# KiCad board arena_10_of_10_v1r1.kicad_pcb (continued)
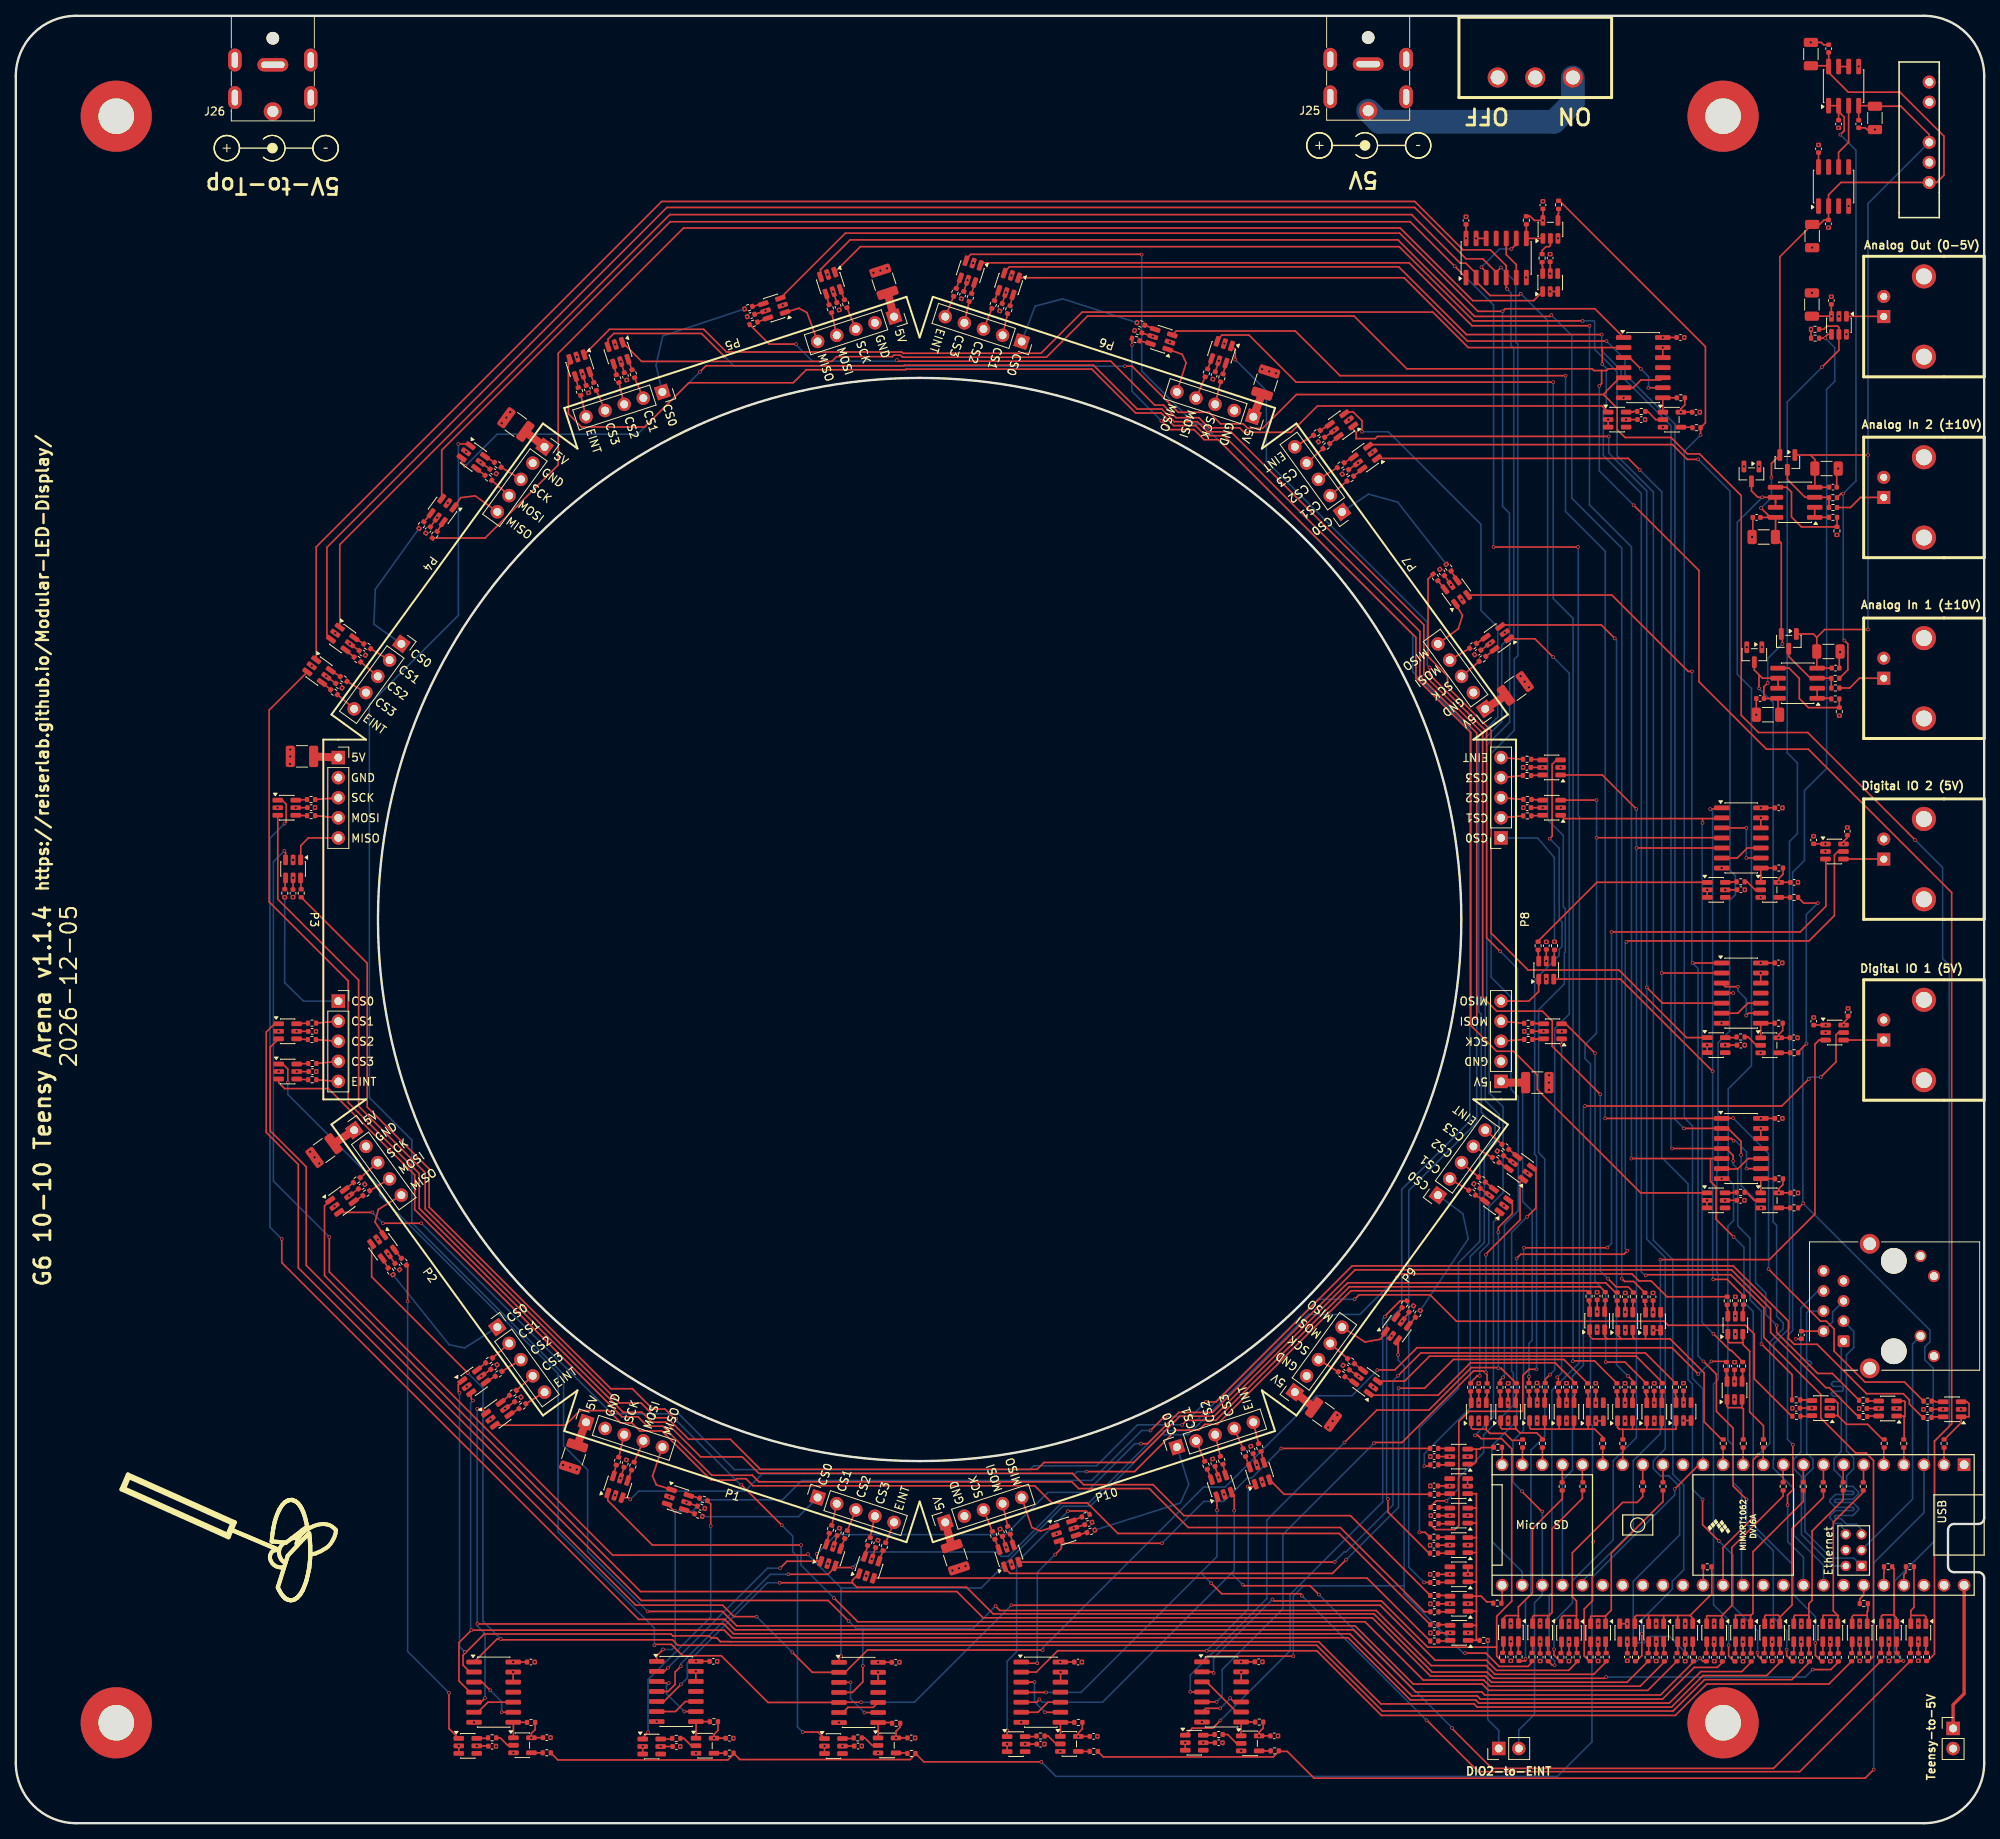
[diagram p0: board, top side]
## Placement (name value [footprint] x y rotation side) (continued)
R127  33  [R_0402_1005Metric]  43.19 147.19 324 top
R128  33  [R_0402_1005Metric]  41.46 144.71 324 top
R129  33  [R_0402_1005Metric]  40.24 143.05 324 top
R130  33  [R_0402_1005Metric]  93.29 189.71 198 top
R131  33  [R_0402_1005Metric]  104.94 192.18 288 top
R132  33  [R_0402_1005Metric]  103.01 191.55 288 top
R133  33  [R_0402_1005Metric]  92.65 191.68 198 top
R134  33  [R_0402_1005Metric]  78.09 183.33 288 top
R135  33  [R_0402_1005Metric]  76.1 182.7 288 top
R136  33  [R_0402_1005Metric]  73.25 181.72 288 top
R137  33  [R_0402_1005Metric]  71.28 181.09 288 top
R138  33  [R_0402_1005Metric]  141.62 187.65 162 top
R139  33  [R_0402_1005Metric]  152.51 182.81 252 top
R140  33  [R_0402_1005Metric]  150.57 183.43 252 top
R141  33  [R_0402_1005Metric]  142.27 189.63 162 top
R142  33  [R_0402_1005Metric]  125.58 191.43 252 top
R143  33  [R_0402_1005Metric]  123.6 192.09 252 top
R144  33  [R_0402_1005Metric]  120.72 192.98 252 top
R145  33  [R_0402_1005Metric]  118.76 193.62 252 top
R146  33  [R_0402_1005Metric]  179.52 157.58 126 top
R147  33  [R_0402_1005Metric]  185.48 147.26 216 top
R148  33  [R_0402_1005Metric]  184.28 148.91 216 top
R149  33  [R_0402_1005Metric]  181.21 158.81 126 top
R150  33  [R_0402_1005Metric]  168.76 170.07 216 top
R151  33  [R_0402_1005Metric]  167.55 171.76 216 top
R152  33  [R_0402_1005Metric]  165.73 174.18 216 top
R153  33  [R_0402_1005Metric]  164.53 175.85 216 top
R154  33  [R_0402_1005Metric]  192.51 110.98 90 top
R155  33  [R_0402_1005Metric]  191.26 99.13 180 top
R156  33  [R_0402_1005Metric]  191.26 101.17 180 top
R157  33  [R_0402_1005Metric]  194.59 110.98 90 top
R158  33  [R_0402_1005Metric]  191.14 127.41 180 top
R159  33  [R_0402_1005Metric]  191.16 129.49 180 top
R160  33  [R_0402_1005Metric]  191.11 132.51 180 top
R161  33  [R_0402_1005Metric]  191.12 134.57 180 top
R162  33  [R_0402_1005Metric]  175.62 65.65 54 top
R163  33  [R_0402_1005Metric]  167.65 56.79 144 top
R164  33  [R_0402_1005Metric]  168.84 58.44 144 top
R165  33  [R_0402_1005Metric]  177.3 64.42 54 top
R166  33  [R_0402_1005Metric]  184.17 79.74 144 top
R167  33  [R_0402_1005Metric]  185.41 81.41 144 top
R168  33  [R_0402_1005Metric]  187.14 83.89 144 top
R169  33  [R_0402_1005Metric]  188.36 85.55 144 top
R170  33  [R_0402_1005Metric]  135.31 38.89 18 top
R171  33  [R_0402_1005Metric]  123.66 36.42 108 top
R172  33  [R_0402_1005Metric]  125.59 37.05 108 top
R173  33  [R_0402_1005Metric]  135.95 36.92 18 top
R174  33  [R_0402_1005Metric]  150.51 45.27 108 top
R175  33  [R_0402_1005Metric]  152.5 45.9 108 top
R176  33  [R_0402_1005Metric]  155.35 46.88 108 top
R177  33  [R_0402_1005Metric]  157.32 47.51 108 top
R178  20k  [R_0402_1005Metric]  230.3 163.45 90 top
R179  20k  [R_0402_1005Metric]  230.6 140.59 90 top
R180  10k  [R_0402_1005Metric]  229.8 165.17 180 top
R181  10k  [R_0402_1005Metric]  230.09 142.2 180 top
R182  10k  [R_0402_1005Metric]  229.79 167.65 180 top
R183  10k  [R_0402_1005Metric]  230.09 144.8 180 top
R184  10k  [R_0402_1005Metric]  229.8 166.41 0 top
R185  10k  [R_0402_1005Metric]  230.1 143.58 0 top
R186  33  [R_0402_1005Metric]  90.25 8.86 180 top
R187  5k  [R_0402_1005Metric]  88.28 12.84 180 top
R188  33  [R_0402_1005Metric]  83.52 10.73 180 top
R189  33  [R_0402_1005Metric]  67.14 8.9 180 top
R190  5k  [R_0402_1005Metric]  65.16 12.75 180 top
R191  33  [R_0402_1005Metric]  60.24 10.8 180 top
R192  33  [R_0402_1005Metric]  113.26 8.81 180 top
R193  5k  [R_0402_1005Metric]  111.32 12.64 180 top
R194  33  [R_0402_1005Metric]  106.47 10.79 180 top
R195  33  [R_0402_1005Metric]  195.1 204.69 270 top
R196  5k  [R_0402_1005Metric]  191.02 202.74 270 top
R197  33  [R_0402_1005Metric]  193.01 197.95 270 top
R198  33  [R_0402_1005Metric]  212.54 176.5 180 top
R199  5k  [R_0402_1005Metric]  210.55 180.29 180 top
R200  33  [R_0402_1005Metric]  205.56 178.56 180 top
R201  33  [R_0402_1005Metric]  224.88 77.83 180 top
R202  5k  [R_0402_1005Metric]  222.96 81.51 180 top
R203  33  [R_0402_1005Metric]  218.11 79.8 180 top
R204  33  [R_0402_1005Metric]  224.89 97.45 180 top
R205  5k  [R_0402_1005Metric]  222.93 101.18 180 top
R206  33  [R_0402_1005Metric]  218.12 99.44 180 top
R207  33  [R_0402_1005Metric]  224.88 117.1 180 top
R208  5k  [R_0402_1005Metric]  222.96 120.81 180 top
R209  33  [R_0402_1005Metric]  218.12 119.07 180 top
R210  33  [R_0402_1005Metric]  159.2 9.15 180 top
R211  5k  [R_0402_1005Metric]  157.24 12.79 180 top
R212  33  [R_0402_1005Metric]  152.11 11.21 180 top
R213  33  [R_0402_1005Metric]  136.31 9.08 180 top
R214  5k  [R_0402_1005Metric]  134.37 12.75 180 top
R215  33  [R_0402_1005Metric]  129.59 11.03 180 top
R216  1k  [R_0402_1005Metric]  185.63 23.12 180 top
SW1  SW_SPDT  [slide_switch]  192.15 223.34 180 top
U1  Teensy4.1  [Teensy41_ethernet_only]  217.17 37.72 180 top  (not fitted)
U2  SN74LVC1T45DBV  [SOT-23-6]  230 100 0 top
U3  SN74LVC1T45DBV  [SOT-23-6]  229.98 122.9 0 top
U4  74LVC2G17  [SOT-23-6]  207.44 24.09 270 top
U5  74LVC2G17  [SOT-23-6]  211.12 24.09 270 top
U6  74LVC2G17  [SOT-23-6]  203.79 24.09 270 top
U7  74LVC2G17  [SOT-23-6]  199.98 63.56 90 top
U8  74LVC2G17  [SOT-23-6]  203.54 63.51 90 top
U9  74LVC2G17  [SOT-23-6]  207.05 63.49 90 top
U10  74LVC2G17  [SOT-23-6]  192.39 52.06 90 top
U11  74LVC2G17  [SOT-23-6]  196.1 52.05 90 top
U12  74LVC2G17  [SOT-23-6]  199.8 52.04 90 top
U13  74LVC2G17  [SOT-23-6]  203.5 52.04 90 top
U14  74LVC2G17  [SOT-23-6]  207.2 52.04 90 top
U15  74LVC2G17  [SOT-23-6]  210.9 52.06 90 top
U16  74LVC2G17  [SOT-23-6]  244.86 52.35 180 top
U17  74LVC2G17  [SOT-23-6]  236.71 52.45 180 top
U18  74LVC2G17  [SOT-23-6]  228.26 52.5 180 top
U19  74LVC2G17  [SOT-23-6]  229.46 24.09 270 top
U20  74LVC2G17  [SOT-23-6]  225.79 24.09 270 top
U21  74LVC2G17  [SOT-23-6]  222.11 24.09 270 top
U22  74LVC2G17  [SOT-23-6]  218.43 24.09 270 top
U23  74LVC2G17  [SOT-23-6]  214.77 24.09 270 top
U24  74LVC2G17  [SOT-23-6]  217.45 62.99 90 top
U25  74LVC2G17  [SOT-23-6]  217.35 54.74 90 top
U26  74LVC2G17  [SOT-23-6]  200.1 24.08 270 top
U27  74LVC2G17  [SOT-23-6]  196.42 24.07 270 top
U28  74LVC2G17  [SOT-23-6]  192.76 24.11 270 top
U29  74LVC2G17  [SOT-23-6]  189.06 24.12 270 top
U30  74LVC2G17  [SOT-23-6]  188.72 52.05 90 top
U31  74LVC2G17  [SOT-23-6]  185 52.04 90 top
U32  74LVC2G17  [SOT-23-6]  182.47 46.37 180 top
U33  74LVC2G17  [SOT-23-6]  240.6 24.1 270 top
U34  74LVC2G17  [SOT-23-6]  236.88 24.09 270 top
U35  74LVC2G17  [SOT-23-6]  233.18 24.09 270 top
U36  74LVC2G17  [SOT-23-6]  182.48 35.17 180 top
U37  74LVC2G17  [SOT-23-6]  182.48 38.91 180 top
U38  74LVC2G17  [SOT-23-6]  182.46 42.63 180 top
U39  74LVC2G17  [SOT-23-6]  182.52 24.08 180 top
U40  74LVC2G17  [SOT-23-6]  182.5 27.76 180 top
U41  74LVC2G17  [SOT-23-6]  182.49 31.48 180 top
U42  74LVC2G17  [SOT-23-6]  76.12 42.55 72 top
U43  74LVC2G17  [SOT-23-6]  83.73 40.92 342 top
U44  74LVC2G17  [SOT-23-6]  103.05 33.92 72 top
U45  74LVC2G17  [SOT-23-6]  107.89 32.35 72 top
U46  74LVC2G17  [SOT-23-6]  41.24 78.69 36 top
U47  74LVC2G17  [SOT-23-6]  46.44 72.9 306 top
U48  74LVC2G17  [SOT-23-6]  57.95 55.88 36 top
U49  74LVC2G17  [SOT-23-6]  60.95 51.77 36 top
U50  74LVC2G17  [SOT-23-6]  34.26 128.44 0 top
U51  74LVC2G17  [SOT-23-6]  35.06 120.7 270 top
U52  74LVC2G17  [SOT-23-6]  34.38 100.16 0 top
U53  74LVC2G17  [SOT-23-6]  34.39 95.07 0 top
U54  74LVC2G17  [SOT-23-6]  57.86 172.79 324 top
U55  74LVC2G17  [SOT-23-6]  53.96 166.05 234 top
U56  74LVC2G17  [SOT-23-6]  41.33 149.84 324 top
U57  74LVC2G17  [SOT-23-6]  38.34 145.72 324 top
U58  74LVC2G17  [SOT-23-6]  103.01 194.79 288 top
U59  74LVC2G17  [SOT-23-6]  95.9 191.64 198 top
U60  74LVC2G17  [SOT-23-6]  76.15 185.94 288 top
U61  74LVC2G17  [SOT-23-6]  71.32 184.36 288 top
U62  74LVC2G17  [SOT-23-6]  152.48 186.05 252 top
U63  74LVC2G17  [SOT-23-6]  144.87 187.68 162 top
U64  74LVC2G17  [SOT-23-6]  125.55 194.68 252 top
U65  74LVC2G17  [SOT-23-6]  120.71 196.25 252 top
U66  74LVC2G17  [SOT-23-6]  187.36 149.91 216 top
U67  74LVC2G17  [SOT-23-6]  182.16 155.7 126 top
U68  74LVC2G17  [SOT-23-6]  170.65 172.72 216 top
U69  74LVC2G17  [SOT-23-6]  167.65 176.83 216 top
U70  74LVC2G17  [SOT-23-6]  194.34 100.16 180 top
U71  74LVC2G17  [SOT-23-6]  193.54 107.9 90 top
U72  74LVC2G17  [SOT-23-6]  194.22 128.44 180 top
U73  74LVC2G17  [SOT-23-6]  194.21 133.53 180 top
U74  74LVC2G17  [SOT-23-6]  170.74 55.81 144 top
U75  74LVC2G17  [SOT-23-6]  174.64 62.55 54 top
U76  74LVC2G17  [SOT-23-6]  187.27 78.76 144 top
U77  74LVC2G17  [SOT-23-6]  190.26 82.88 144 top
U78  74LVC2G17  [SOT-23-6]  125.59 33.81 108 top
U79  74LVC2G17  [SOT-23-6]  132.7 36.96 18 top
U80  74LVC2G17  [SOT-23-6]  152.45 42.66 108 top
U81  74LVC2G17  [SOT-23-6]  157.28 44.24 108 top
U82  RB-XXYYD  [RB-XXYYYD]  241.97 213.87 270 top  (not fitted)
U83  OPA2277  [SOIC-8_3.9x4.9mm_P1.27mm]  225.01 167.07 180 top
U84  REF102AU  [SOIC-8_3.9x4.9mm_P1.27mm]  229.87 207.01 90 top
U85  MCP4725xxx-xCH  [SOT-23-6]  230.55 189.45 270 top
U86  OPA2277  [SOIC-8_3.9x4.9mm_P1.27mm]  225.32 144.19 180 top
U87  OPA2277  [SOIC-8_3.9x4.9mm_P1.27mm]  231.14 219.71 90 top
U88  74LVC1G125  [SOT-23-5]  87.16 9.8 0 top
U89  SN74HCS08  [SOIC-14_3.9x8.7mm_P1.27mm]  83.53 16.66 0 top
U90  74LVC2G17  [SOT-23-6]  80.41 9.7 0 top
U91  SN74HCS08  [SOIC-14_3.9x8.7mm_P1.27mm]  60.42 16.58 0 top
U92  74LVC1G125  [SOT-23-5]  64.06 9.86 0 top
U93  74LVC2G17  [SOT-23-6]  57.15 9.78 0 top
U94  SN74HCS08  [SOIC-14_3.9x8.7mm_P1.27mm]  106.57 16.54 0 top
U95  SN74HCS08  [SOIC-14_3.9x8.7mm_P1.27mm]  187.21 197.97 90 top
U96  74LVC1G125  [SOT-23-5]  110.18 9.84 0 top
U97  74LVC2G17  [SOT-23-6]  103.41 9.75 0 top
U98  SN74HCS08  [SOIC-14_3.9x8.7mm_P1.27mm]  205.8 184.1 0 top
U99  SN74HCS08  [SOIC-14_3.9x8.7mm_P1.27mm]  218.2 85.34 0 top
U100  74LVC1G125  [SOT-23-5]  194.07 201.58 90 top
U101  74LVC2G17  [SOT-23-6]  194.04 194.86 90 top
U102  SN74HCS08  [SOIC-14_3.9x8.7mm_P1.27mm]  218.19 104.99 0 top
U103  SN74HCS08  [SOIC-14_3.9x8.7mm_P1.27mm]  218.2 124.62 0 top
U104  74LVC1G125  [SOT-23-5]  209.43 177.52 0 top
U105  74LVC2G17  [SOT-23-6]  202.5 177.53 0 top
U106  SN74HCS08  [SOIC-14_3.9x8.7mm_P1.27mm]  152.47 16.6 0 top
U107  SN74HCS08  [SOIC-14_3.9x8.7mm_P1.27mm]  129.62 16.57 0 top
U108  74LVC1G125  [SOT-23-5]  221.81 78.78 0 top
U109  74LVC2G17  [SOT-23-6]  215.01 78.78 0 top
U112  74LVC1G125  [SOT-23-5]  221.79 98.39 0 top
U113  74LVC2G17  [SOT-23-6]  215.03 98.41 0 top
U116  74LVC1G125  [SOT-23-5]  221.8 118.05 0 top
U117  74LVC2G17  [SOT-23-6]  215.04 118.05 0 top
U120  74LVC1G125  [SOT-23-5]  156.09 10.1 0 top
U121  74LVC2G17  [SOT-23-6]  149.02 10.18 0 top
U124  74LVC1G125  [SOT-23-5]  133.23 10.03 0 top
U125  74LVC2G17  [SOT-23-6]  126.5 10 0 top

## Library data of the parts
C1-C41 C43-C46 C48-C51 C53-C56 C58-C61 C63-C66 C68-C71 C73-C76 C78-C81 C83-C86 C88-C91 C110-C141 = -: Description: Unpolarized capacitor; LCSC Part #: C1525; ki_fp_filters: C_*
C42 C47 C52 C57 C62 C67 C72 C77 C82 C87 = -: Description: Unpolarized capacitor, small symbol; LCSC Part #: C7432790; ki_fp_filters: C_*
C92 C96 C97 C100 C103 C104 C108 C109 = -: Description: Unpolarized capacitor, small symbol; LCSC Part #: C89632; ki_fp_filters: C_*
C93-C95 C99 C101 C102 C105-C107 = -: Description: Unpolarized capacitor, small symbol; LCSC Part #: C307331; ki_fp_filters: C_*
C98 = -: Description: Unpolarized capacitor, small symbol; LCSC Part #: C1525; ki_fp_filters: C_*
D1-D4 = -: Datasheet: http://www.vishay.com/docs/85701/bas40v.pdf; Description: 40V 0.2A Dual Small Signal Schottky Diodes; LCSC Part #: C7502688; FT Rotation Offset: 90; ki_fp_filters: SOT?23*
H1-H4 = -: ki_fp_filters: MountingHole*Pad*
J1 = -: LCSC Part #: C910371
J2 J30 = -: Description: Generic connector, single row, 01x02, script generated (kicad-library-utils/schlib/autogen/connector/); LCSC Part #: C124375; FT Rotation Offset: 90; ki_fp_filters: Connector*:*_1x??_*
J3 J4 J27-J29 = -: Description: coaxial connector (BNC, SMA, SMB, SMC, Cinch/RCA, LEMO, ...); LCSC Part #: C2837587; FT Rotation Offset: 180; ki_fp_filters: *BNC* *SMA* *SMB* *SMC* *Cinch* *LEMO* *UMRF* *MCX* *U.FL*
J5-J24 = -: Description: Generic connector, single row, 01x05, script generated (kicad-library-utils/schlib/autogen/connector/); LCSC Part #: C50950; FT Rotation Offset: 90; ki_fp_filters: Connector*:*_1x??_*
J25 J26 = -: Description: DC Barrel Jack; LCSC Part #: C707274; FT Position Offset: 0,-1.143; ki_fp_filters: BarrelJack*
J100 J101 = -: LCSC Part #: C41376163; FT Rotation Offset: 90; FT Position Offset: 0,-29.21
J102 = -: LCSC Part #: C18078170; FT Rotation Offset: 90; FT Position Offset: -1,-2
R1-R25 R28-R177 R186 R188 R189 R191 R192 R194 R195 R197 R198 R200 R201 R203 R204 R206 R207 R209 R210 R212 R213 R215 = -: Description: Resistor, small symbol; LCSC Part #: C25105; ki_fp_filters: R_*
R26 R27 R216 = -: Description: Resistor, small symbol; LCSC Part #: C11702; ki_fp_filters: R_*
R178 R179 = -: Description: Resistor, small symbol; LCSC Part #: C705630; ki_fp_filters: R_*
R180-R185 = -: Description: Resistor, small symbol; LCSC Part #: C190095; ki_fp_filters: R_*
R187 R190 R193 R196 R199 R202 R205 R208 R211 R214 = -: Description: Resistor, small symbol; LCSC Part #: C5948099; ki_fp_filters: R_*
SW1 = -: Description: Switch, single pole double throw; LCSC Part #: C19189125
U2 U3 = -: Datasheet: http://www.ti.com/lit/ds/symlink/sn74lvc1t45.pdf; Description: Single-Bit Dual-Supply Bus Transceiver With Configurable Voltage Translation and 3-State Outputs, SOT-23-6; LCSC Part #: C7843; ki_fp_filters: SOT?23*
U4-U81 U90 U93 U97 U101 U105 U109 U113 U117 U121 U125 = -: Datasheet: http://www.ti.com/lit/sg/scyt129e/scyt129e.pdf; Description: Dual Buffer, Schmitt Triggered, Low-Voltage CMOS; LCSC Part #: C7394037; ki_fp_filters: SG-* SOT*
U83 U86 U87 = -: Datasheet: https://www.ti.com/lit/ds/symlink/opa2277.pdf; Description: Dual High Precision Operational Amplifiers, DIP-8/SOIC-8; LCSC Part #: C24460; ki_fp_filters: SOIC*3.9x4.9mm*P1.27mm* DIP*W7.62mm* TO*99* OnSemi*Micro8* TSSOP*3x3mm*P0.65mm* TSSOP*4.4x3mm*P0.65mm* MSOP*3x3mm*P0.65mm* SSOP*3.9x4.9mm*P0.635mm* LFCSP*2x2mm*P0.5mm* *SIP* SOIC*5.3x6.2mm*P1.27mm*
U84 = -: Datasheet: http://www.ti.com/lit/ds/symlink/ref02.pdf; Description: 10V ±10mV Precision Voltage Reference, SO-8; LCSC Part #: C81460; ki_fp_filters: SOIC*3.9x4.9mm*P1.27mm*
U85 = -: Datasheet: http://ww1.microchip.com/downloads/en/DeviceDoc/22039d.pdf; Description: 12-bit Digital-to-Analog Converter, integrated EEPROM, I2C interface, SOT-23-6; LCSC Part #: C144198; FT Rotation Offset: 90; ki_fp_filters: SOT?23*
U88 U92 U96 U100 U104 U108 U112 U116 U120 U124 = -: Datasheet: https://www.ti.com/lit/ds/symlink/sn74lvc1g125.pdf; Description: Single Buffer Gate Tri-State, Low-Voltage CMOS; LCSC Part #: C7394017; ki_fp_filters: SOT?23* Texas?R-PDSO-G5?DCK* Texas?R-PDSO-N5?DRL* Texas?X2SON*0.8x0.8mm*P0.48mm*
U89 U91 U94 U95 U98 U99 U102 U103 U106 U107 = -: LCSC Part #: C2868021

## Footprints (pads in the part's own frame, mm; a bottom-side part is the same pattern mirrored in y, then rotated)
BNC
  round 3.048 hole 2.02: (-5.08,0) (5.08,0)
  rect 1.651x1.651 hole 0.9: 1(0,-5.08)
  round 1.651 hole 0.9: 2(-2.54,-5.08)
C_0402_1005Metric
  rrect 0.56x0.62 smd: 1(-0.48,0) 2(0.48,0)
C_1206_3216Metric
  rrect 1.15x1.8 smd: 1(-1.475,0) 2(1.475,0)
C_1210_3225Metric
  rrect 1.15x2.7 smd: 1(-1.475,0) 2(1.475,0)
DC-053D-20A
  oval 1.7x2.9 hole 0.8x2: (-4.8,6.5) (-4.8,1.75) (4.8,6.5) (4.8,1.75)
  round 1.6 hole 1.6 unplated: (0,9.25)
  round 2.3 hole 1.4: 1(0,0)
  oval 3.9x1.7 hole 3x0.8: 2(0,5.9)
MountingHole_4.5mm_Pad
  round 9 hole 4.5: 1(0,0)
PinHeader_1x02_P2.54mm_Vertical
  rect 1.7x1.7 hole 1: 1(0,0)
  round 1.7 hole 1: 2(0,-2.54)
PinSocket_1x05_P2.54mm_Vertical
  rect 1.7x1.7 hole 1: 1(0,0)
  round 1.7 hole 1: 2(0,-2.54) 3(0,-5.08) 4(0,-7.62) 5(0,-10.16)
R_0402_1005Metric
  rrect 0.54x0.64 smd: 1(-0.51,0) 2(0.51,0)
RB-XXYYYD
  round 1.651 hole 1.016: 1(-6.35,0) 2(-3.81,0) 4(1.27,0) 5(3.81,0) 6(6.35,0)
RJ45_Cetus_J1B1211CCD_Horizontal
  round 3.25 hole 3.25 unplated: (-1.27,-6.35) (10.16,-6.35)
  rrect 1.5x1.5 hole 0.9: 1(0,0)
  round 1.5 hole 0.9: 2(1.27,2.54) 3(2.54,0) 4(3.81,2.54) 5(5.08,0) 6(6.35,2.54) 7(7.62,0) 8(8.89,2.54)
  round 1.5 hole 1.02: 9(-1.88,-11.43) 10(0.66,-9.73) 11(8.23,-11.43) 12(10.77,-9.73)
  round 2.5 hole 1.6: 13(-3.43,-3.3) 13(12.32,-3.3)
slide_switch
  round 2.54 hole 1.778: 1(-4.75,2.54) 2(0,2.54) 3(4.75,2.54)
SOIC-8_3.9x4.9mm_P1.27mm
  rrect 1.95x0.6 smd: 1(-2.475,1.905) 2(-2.475,0.635) 3(-2.475,-0.635) 4(-2.475,-1.905) 5(2.475,-1.905) 6(2.475,-0.635) 7(2.475,0.635) 8(2.475,1.905)
SOIC-14_3.9x8.7mm_P1.27mm
  rrect 1.95x0.6 smd: 1(-2.475,3.81) 2(-2.475,2.54) 3(-2.475,1.27) 4(-2.475,0) 5(-2.475,-1.27) 6(-2.475,-2.54) 7(-2.475,-3.81) 8(2.475,-3.81) 9(2.475,-2.54) 10(2.475,-1.27) 11(2.475,0) 12(2.475,1.27) 13(2.475,2.54) 14(2.475,3.81)
SOT-23
  rrect 1.475x0.6 smd: 1(-0.938,0.95) 2(-0.938,-0.95) 3(0.938,0)
SOT-23-5
  rrect 1.325x0.6 smd: 1(-1.137,0.95) 2(-1.137,0) 3(-1.137,-0.95) 4(1.137,-0.95) 5(1.137,0.95)
SOT-23-6
  rrect 1.325x0.6 smd: 1(-1.137,0.95) 2(-1.137,0) 3(-1.137,-0.95) 4(1.137,-0.95) 5(1.137,0) 6(1.137,0.95)
Teensy41_ethernet_only
  rect 1.6x1.6 hole 1.1: 1(-29.21,-7.62)
  round 1.6 hole 1.1: 2(-26.67,-7.62) 3(-24.13,-7.62) 4(-21.59,-7.62) 5(-19.05,-7.62) 6(-16.51,-7.62) 7(-13.97,-7.62) 8(-11.43,-7.62) 9(-8.89,-7.62) 10(-6.35,-7.62) 11(-3.81,-7.62) 12(-1.27,-7.62) 13(1.27,-7.62) 14(3.81,-7.62) 15(6.35,-7.62) 16(8.89,-7.62) 17(11.43,-7.62) 18(13.97,-7.62) 19(16.51,-7.62) 20(19.05,-7.62) 21(21.59,-7.62) 22(24.13,-7.62) 23(26.67,-7.62) 24(29.21,-7.62) 25(29.21,7.62) 26(26.67,7.62) 27(24.13,7.62) 28(21.59,7.62) 29(19.05,7.62) 30(16.51,7.62) 31(13.97,7.62) 32(11.43,7.62) 33(8.89,7.62) 34(6.35,7.62) 35(3.81,7.62) 36(1.27,7.62) 37(-1.27,7.62) 38(-3.81,7.62) 39(-6.35,7.62) 40(-8.89,7.62) 41(-11.43,7.62) 42(-13.97,7.62) 43(-16.51,7.62) 44(-19.05,7.62) 45(-21.59,7.62) 46(-24.13,7.62) 47(-26.67,7.62) 48(-29.21,7.62)
  rect 1.3x1.3 hole 0.8: 60(-16.24,5.182)
  round 1.3 hole 0.8: 61(-16.24,3.182) 62(-16.24,1.182) 63(-14.24,1.182) 64(-14.24,3.182) 65(-14.24,5.182)

## Nets
+3.3V: C4.1 C5.1 C6.1 C7.1 C8.1 C9.1 C10.1 C11.1 C12.1 C13.1 C14.1 C15.1 C16.1 C17.1 C18.1 C19.1 C20.1 C21.1 C22.1 C23.1 C24.1 C25.1 C26.1 C27.1 C28.1 C29.1 C30.1 C31.1 C32.1 C33.1 C34.1 C35.1 C36.1 C37.1 C38.1 C39.1 C40.1 C41.1 C43.1 C44.1 C45.1 C46.1 C48.1 C49.1 C50.1 C51.1 C53.1 C54.1 C55.1 C56.1 C58.1 C59.1 C60.1 C61.1 C63.1 C64.1 C65.1 C66.1 C68.1 C69.1 C70.1 C71.1 C73.1 C74.1 C75.1 C76.1 C78.1 C79.1 C80.1 C81.1 C83.1 C84.1 C85.1 C86.1 C88.1 C89.1 C90.1 C91.1 C110.1 C111.1 C112.1 C113.1 C114.1 C115.1 C116.1 C117.1 C118.1 C119.1 C120.1 C121.1 C122.1 C123.1 C124.1 C125.1 C126.1 C127.1 C128.1 C129.1 C130.1 C131.1 C132.1 C133.1 C134.1 C135.1 C136.1 C137.1 C138.1 C139.1 C140.1 C141.1 D1.2 D2.2 R26.1 R27.1 R187.1 R190.1 R193.1 R196.1 R199.1 R202.1 R205.1 R208.1 R211.1 R214.1 U1.15 U1.46 U2.1 U3.1 U4.5 U5.5 U6.5 U7.5 U8.5 U9.5 U10.5 U11.5 U12.5 U13.5 U14.5 U15.5 U16.5 U17.5 U18.5 U19.5 U20.5 U21.5 U22.5 U23.5 U24.5 U25.5 U26.5 U27.5 U28.5 U29.5 U30.5 U31.5 U32.5 U33.5 U34.5 U35.5 U36.5 U37.5 U38.5 U39.5 U40.5 U41.5 U42.5 U43.5 U44.5 U45.5 U46.5 U47.5 U48.5 U49.5 U50.5 U51.5 U52.5 U53.5 U54.5 U55.5 U56.5 U57.5 U58.5 U59.5 U60.5 U61.5 U62.5 U63.5 U64.5 U65.5 U66.5 U67.5 U68.5 U69.5 U70.5 U71.5 U72.5 U73.5 U74.5 U75.5 U76.5 U77.5 U78.5 U79.5 U80.5 U81.5 U88.5 U89.14 U90.5 U91.14 U92.5 U93.5 U94.14 U95.14 U96.5 U97.5 U98.14 U99.14 U100.5 U101.5 U102.14 U103.14 U104.5 U105.5 U106.14 U107.14 U108.5 U109.5 U112.5 U113.5 U116.5 U117.5 U120.5 U121.5 U124.5 U125.5
+5V: C2.1 C3.1 C42.2 C47.2 C52.2 C57.2 C62.2 C67.2 C72.2 C77.2 C82.2 C87.2 C98.1 C100.1 J2.2 J5.1 J7.1 J9.1 J11.1 J13.1 J15.1 J17.1 J19.1 J21.1 J23.1 J26.1 SW1.2 U2.6 U3.6 U82.1 U85.3
+15V: C92.1 C93.1 C94.1 C96.1 C101.1 C103.1 C105.1 C108.1 D3.2 D4.2 U82.6 U83.8 U84.2 U86.8 U87.8
-15V: C95.1 C97.1 C102.1 C104.1 C106.1 C109.1 D3.1 D4.1 U82.4 U83.4 U86.4 U87.4
/Analog IO/10V_REF: C107.1 R182.1 R183.1 U87.1 U87.2
/Teensy/VIN: J2.1 U1.48
GND: C1.2 C2.2 C3.2 C4.2 C5.2 C6.2 C7.2 C8.2 C9.2 C10.2 C11.2 C12.2 C13.2 C14.2 C15.2 C16.2 C17.2 C18.2 C19.2 C20.2 C21.2 C22.2 C23.2 C24.2 C25.2 C26.2 C27.2 C28.2 C29.2 C30.2 C31.2 C32.2 C33.2 C34.2 C35.2 C36.2 C37.2 C38.2 C39.2 C40.2 C41.2 C42.1 C43.2 C44.2 C45.2 C46.2 C47.1 C48.2 C49.2 C50.2 C51.2 C52.1 C53.2 C54.2 C55.2 C56.2 C57.1 C58.2 C59.2 C60.2 C61.2 C62.1 C63.2 C64.2 C65.2 C66.2 C67.1 C68.2 C69.2 C70.2 C71.2 C72.1 C73.2 C74.2 C75.2 C76.2 C77.1 C78.2 C79.2 C80.2 C81.2 C82.1 C83.2 C84.2 C85.2 C86.2 C87.1 C88.2 C89.2 C90.2 C91.2 C92.2 C93.2 C94.2 C95.2 C96.2 C97.2 C98.2 C99.2 C100.2 C101.2 C102.2 C103.2 C104.2 C105.2 C106.2 C107.2 C108.2 C109.2 C110.2 C111.2 C112.2 C113.2 C114.2 C115.2 C116.2 C117.2 C118.2 C119.2 C120.2 C121.2 C122.2 C123.2 C124.2 C125.2 C126.2 C127.2 C128.2 C129.2 C130.2 C131.2 C132.2 C133.2 C134.2 C135.2 C136.2 C137.2 C138.2 C139.2 C140.2 C141.2 D1.1 D2.1 H1.1 H2.1 H3.1 H4.1 J1.8 J1.9 J1.13 J3.2 J4.2 J5.2 J7.2 J9.2 J11.2 J13.2 J15.2 J17.2 J19.2 J21.2 J23.2 J25.2 J26.2 J27.2 J28.2 J29.2 R178.1 R179.1 U1.1 U1.34 U1.47 U1.64 U2.2 U3.2 U4.2 U5.2 U6.2 U6.3 U7.2 U8.2 U9.2 U9.3 U10.2 U11.2 U12.2 U12.3 U13.2 U14.2 U15.2 U15.3 U16.2 U17.2 U18.2 U19.2 U20.2 U21.2 U22.2 U23.2 U24.2 U25.2 U26.2 U27.2 U28.2 U29.2 U30.2 U31.2 U32.2 U33.2 U34.2 U35.2 U36.2 U37.2 U38.2 U38.3 U39.2 U40.2 U41.2 U41.3 U42.2 U43.2 U44.2 U45.2 U46.2 U47.2 U48.2 U49.2 U50.2 U51.2 U52.2 U53.2 U54.2 U55.2 U56.2 U57.2 U58.2 U59.2 U60.2 U61.2 U62.2 U63.2 U64.2 U65.2 U66.2 U67.2 U68.2 U69.2 U70.2 U71.2 U72.2 U73.2 U74.2 U75.2 U76.2 U77.2 U78.2 U79.2 U80.2 U81.2 U82.2 U82.5 U84.4 U85.2 U85.6 U87.5 U88.3 U89.7 U89.12 U89.13 U90.2 U90.3 U91.7 U91.12 U91.13 U92.3 U93.2 U93.3 U94.7 U94.12 U94.13 U95.7 U95.12 U95.13 U96.3 U97.2 U97.3 U98.7 U98.12 U98.13 U99.7 U99.12 U99.13 U100.3 U101.2 U101.3 U102.7 U102.12 U102.13 U103.7 U103.12 U103.13 U104.3 U105.2 U105.3 U106.7 U106.12 U106.13 U107.7 U107.12 U107.13 U108.3 U109.2 U109.3 U112.3 U113.2 U113.3 U116.3 U117.2 U117.3 U120.3 U121.2 U121.3 U124.3 U125.2 U125.3
/Analog IO/A0_5V: J29.1 R185.2
/Analog IO/A1_5V: J28.1 R184.2
/Analog IO/AIN.A0: D2.3 U1.36 U86.6 U86.7
/Analog IO/AIN.A1: D1.3 U1.37 U83.6 U83.7
/Analog IO/AOUT: J27.1 U85.1
/Analog IO/I2C.SCL: R27.2 U1.41 U85.5
/Analog IO/I2C.SDA: R26.2 U1.40 U85.4
/Fan Out/PAN.CS_00_P1: R48.2 U43.3 U89.1
/Fan Out/PAN.CS_00_P6: R49.2 U63.3 U99.1
/Fan Out/PAN.CS_01_P1: R50.2 U44.1 U89.2
/Fan Out/PAN.CS_01_P6: R51.2 U64.1 U99.2
/Fan Out/PAN.CS_02_P1: R52.2 U44.3 U89.4
/Fan Out/PAN.CS_02_P6: R53.2 U64.3 U99.4
/Fan Out/PAN.CS_03_P1: R54.2 U45.1 U89.5
/Fan Out/PAN.CS_03_P6: R55.2 U65.1 U99.5
/Fan Out/PAN.CS_04_P2: R56.2 U47.3 U91.1
/Fan Out/PAN.CS_04_P7: R57.2 U67.3 U102.1
/Fan Out/PAN.CS_05_P2: R58.2 U48.1 U91.2
/Fan Out/PAN.CS_05_P7: R59.2 U68.1 U102.2
/Fan Out/PAN.CS_06_P2: R60.2 U48.3 U91.4
/Fan Out/PAN.CS_06_P7: R61.2 U68.3 U102.4
/Fan Out/PAN.CS_07_P2: R62.2 U49.1 U91.5
/Fan Out/PAN.CS_07_P7: R63.2 U69.1 U102.5
/Fan Out/PAN.CS_08_P3: R64.2 U51.3 U94.1
/Fan Out/PAN.CS_08_P8: R65.2 U71.3 U103.1
/Fan Out/PAN.CS_09_P3: R66.2 U52.1 U94.2
/Fan Out/PAN.CS_09_P8: R67.2 U72.1 U103.2
/Fan Out/PAN.CS_10_P3: R68.2 U52.3 U94.4
/Fan Out/PAN.CS_10_P8: R69.2 U72.3 U103.4
/Fan Out/PAN.CS_11_P3: R70.2 U53.1 U94.5
/Fan Out/PAN.CS_11_P8: R71.2 U73.1 U103.5
/Fan Out/PAN.CS_12_P4: R72.2 U55.3 U95.1
/Fan Out/PAN.CS_12_P9: R73.2 U75.3 U106.1
/Fan Out/PAN.CS_13_P4: R74.2 U56.1 U95.2
/Fan Out/PAN.CS_13_P9: R75.2 U76.1 U106.2
/Fan Out/PAN.CS_14_P4: R76.2 U56.3 U95.4
/Fan Out/PAN.CS_14_P9: R77.2 U76.3 U106.4
/Fan Out/PAN.CS_15_P4: R78.2 U57.1 U95.5
/Fan Out/PAN.CS_15_P9: R79.2 U77.1 U106.5
/Fan Out/PAN.CS_16_P5: R80.2 U59.3 U98.1
/Fan Out/PAN.CS_16_P10: R81.2 U79.3 U107.1
/Fan Out/PAN.CS_17_P5: R82.2 U60.1 U98.4
/Fan Out/PAN.CS_17_P10: R83.2 U80.1 U107.4
/Fan Out/PAN.CS_18_P5: R84.2 U60.3 U98.5
/Fan Out/PAN.CS_18_P10: R85.2 U80.3 U107.5
/Fan Out/PAN.CS_19_P5: R86.2 U61.1 U98.2
/Fan Out/PAN.CS_19_P10: R87.2 U81.1 U107.2
/Fan Out/PAN.EINT_P1: R93.2 U45.3
/Fan Out/PAN.EINT_P2: R94.2 U49.3
/Fan Out/PAN.EINT_P3: R95.2 U53.3
/Fan Out/PAN.EINT_P4: R96.2 U57.3
/Fan Out/PAN.EINT_P5: R97.2 U61.3
/Fan Out/PAN.EINT_P6: R88.2 U65.3
/Fan Out/PAN.EINT_P7: R89.2 U69.3
/Fan Out/PAN.EINT_P8: R90.2 U73.3
/Fan Out/PAN.EINT_P9: R91.2 U77.3
/Fan Out/PAN.EINT_P10: R92.2 U81.3
/Fan Out/PAN.MISO_B0_P1: R98.2 U90.1
/Fan Out/PAN.MISO_B0_P2: R106.2 U93.1
/Fan Out/PAN.MISO_B0_P3: R114.2 U97.1
/Fan Out/PAN.MISO_B0_P4: R122.2 U101.1
/Fan Out/PAN.MISO_B0_P5: R130.2 U105.1
/Fan Out/PAN.MISO_B1_P6: R138.2 U109.1
/Fan Out/PAN.MISO_B1_P7: R146.2 U113.1
/Fan Out/PAN.MISO_B1_P8: R154.2 U117.1
/Fan Out/PAN.MISO_B1_P9: R162.2 U121.1
/Fan Out/PAN.MISO_B1_P10: R170.2 U125.1
/Fan Out/PAN.MOSI_B0_P1: R33.2 U42.3
/Fan Out/PAN.MOSI_B0_P2: R34.2 U46.3
/Fan Out/PAN.MOSI_B0_P3: R35.2 U50.3
/Fan Out/PAN.MOSI_B0_P4: R36.2 U54.3
/Fan Out/PAN.MOSI_B0_P5: R37.2 U58.3
/Fan Out/PAN.MOSI_B1_P6: R43.2 U62.3
/Fan Out/PAN.MOSI_B1_P7: R44.2 U66.3
/Fan Out/PAN.MOSI_B1_P8: R45.2 U70.3
/Fan Out/PAN.MOSI_B1_P9: R46.2 U74.3
/Fan Out/PAN.MOSI_B1_P10: R47.2 U78.3
/Fan Out/PAN.SCK_B0_P1: R28.2 U42.1
/Fan Out/PAN.SCK_B0_P2: R29.2 U46.1
/Fan Out/PAN.SCK_B0_P3: R30.2 U50.1
/Fan Out/PAN.SCK_B0_P4: R31.2 U54.1
/Fan Out/PAN.SCK_B0_P5: R32.2 U58.1
/Fan Out/PAN.SCK_B1_P6: R38.2 U62.1
/Fan Out/PAN.SCK_B1_P7: R39.2 U66.1
/Fan Out/PAN.SCK_B1_P8: R40.2 U70.1
/Fan Out/PAN.SCK_B1_P9: R41.2 U74.1
/Fan Out/PAN.SCK_B1_P10: R42.2 U78.1
/Fan Out/TNY.CS_00: R1.1 U16.1 U16.3
/Fan Out/TNY.CS_01: R2.1 U17.1 U17.3
/Fan Out/TNY.CS_02: R3.1 U18.1 U18.3
/Fan Out/TNY.CS_03: R4.1 U19.1 U19.3
/Fan Out/TNY.CS_04: R5.1 U20.1 U20.3
/Fan Out/TNY.CS_05: R6.1 U21.1 U21.3
/Fan Out/TNY.CS_06: R7.1 U22.1 U22.3
/Fan Out/TNY.CS_07: R8.1 U23.1 U23.3
/Fan Out/TNY.CS_08: R9.1 U24.1 U24.3
/Fan Out/TNY.CS_09: R10.1 U25.1 U25.3
/Fan Out/TNY.CS_10: R12.1 U26.1 U26.3
/Fan Out/TNY.CS_11: R13.1 U27.1 U27.3
/Fan Out/TNY.CS_12: R16.1 U28.1 U28.3
/Fan Out/TNY.CS_13: R17.1 U29.1 U29.3
/Fan Out/TNY.CS_14: R18.1 U30.1 U30.3
/Fan Out/TNY.CS_15: R19.1 U31.1 U31.3
/Fan Out/TNY.CS_16: R20.1 U32.1 U32.3
/Fan Out/TNY.CS_17: R21.1 U33.1 U33.3
/Fan Out/TNY.CS_18: R22.1 U34.1 U34.3
/Fan Out/TNY.CS_19: R23.1 U35.1 U35.3
/Fan Out/TNY.EINT: R25.1 R216.2 U36.1 U36.3 U37.1 U37.3 U38.1 U39.1 U39.3 U40.1 U40.3 U41.1
/Fan Out/TNY.MISO_B0: R186.1 R189.1 R192.1 R195.1 R198.1 U1.14
/Fan Out/TNY.MISO_B1: R201.1 R204.1 R207.1 R210.1 R213.1 U1.3
/Fan Out/TNY.MOSI_B0: R11.1 U7.1 U7.3 U8.1 U8.3 U9.1
/Fan Out/TNY.MOSI_B1: R14.1 U13.1 U13.3 U14.1 U14.3 U15.1
/Fan Out/TNY.SCK_B0: R24.1 U4.1 U4.3 U5.1 U5.3 U6.1
/Fan Out/TNY.SCK_B1: R15.1 U10.1 U10.3 U11.1 U11.3 U12.1
/Panels/Panel Column P1/Column Buffer/CS0_OUT: J6.1 R101.2
/Panels/Panel Column P1/Column Buffer/CS1_OUT: J6.2 R102.2
/Panels/Panel Column P1/Column Buffer/CS2_OUT: J6.3 R103.2
/Panels/Panel Column P1/Column Buffer/CS_3OUT: J6.4 R104.2
/Panels/Panel Column P1/Column Buffer/EINT_OUT: J6.5 R105.2
/Panels/Panel Column P1/Column Buffer/MISO_IN: J5.5 U43.1
/Panels/Panel Column P1/Column Buffer/MOSI_OUT: J5.4 R100.2
/Panels/Panel Column P1/Column Buffer/SCK_OUT: J5.3 R99.2
/Panels/Panel Column P2/Column Buffer/CS0_OUT: J8.1 R109.2
/Panels/Panel Column P2/Column Buffer/CS1_OUT: J8.2 R110.2
/Panels/Panel Column P2/Column Buffer/CS2_OUT: J8.3 R111.2
/Panels/Panel Column P2/Column Buffer/CS_3OUT: J8.4 R112.2
/Panels/Panel Column P2/Column Buffer/EINT_OUT: J8.5 R113.2
/Panels/Panel Column P2/Column Buffer/MISO_IN: J7.5 U47.1
/Panels/Panel Column P2/Column Buffer/MOSI_OUT: J7.4 R108.2
/Panels/Panel Column P2/Column Buffer/SCK_OUT: J7.3 R107.2
/Panels/Panel Column P3/Column Buffer/CS0_OUT: J10.1 R117.2
/Panels/Panel Column P3/Column Buffer/CS1_OUT: J10.2 R118.2
/Panels/Panel Column P3/Column Buffer/CS2_OUT: J10.3 R119.2
/Panels/Panel Column P3/Column Buffer/CS_3OUT: J10.4 R120.2
/Panels/Panel Column P3/Column Buffer/EINT_OUT: J10.5 R121.2
/Panels/Panel Column P3/Column Buffer/MISO_IN: J9.5 U51.1
/Panels/Panel Column P3/Column Buffer/MOSI_OUT: J9.4 R116.2
/Panels/Panel Column P3/Column Buffer/SCK_OUT: J9.3 R115.2
/Panels/Panel Column P4/Column Buffer/CS0_OUT: J12.1 R125.2
/Panels/Panel Column P4/Column Buffer/CS1_OUT: J12.2 R126.2
/Panels/Panel Column P4/Column Buffer/CS2_OUT: J12.3 R127.2
/Panels/Panel Column P4/Column Buffer/CS_3OUT: J12.4 R128.2
/Panels/Panel Column P4/Column Buffer/EINT_OUT: J12.5 R129.2
/Panels/Panel Column P4/Column Buffer/MISO_IN: J11.5 U55.1
/Panels/Panel Column P4/Column Buffer/MOSI_OUT: J11.4 R124.2
/Panels/Panel Column P4/Column Buffer/SCK_OUT: J11.3 R123.2
/Panels/Panel Column P5/Column Buffer/CS0_OUT: J14.1 R133.2
/Panels/Panel Column P5/Column Buffer/CS1_OUT: J14.2 R134.2
/Panels/Panel Column P5/Column Buffer/CS2_OUT: J14.3 R135.2
/Panels/Panel Column P5/Column Buffer/CS_3OUT: J14.4 R136.2
/Panels/Panel Column P5/Column Buffer/EINT_OUT: J14.5 R137.2
/Panels/Panel Column P5/Column Buffer/MISO_IN: J13.5 U59.1
/Panels/Panel Column P5/Column Buffer/MOSI_OUT: J13.4 R132.2
/Panels/Panel Column P5/Column Buffer/SCK_OUT: J13.3 R131.2
/Panels/Panel Column P6/Column Buffer/CS0_OUT: J16.1 R141.2
/Panels/Panel Column P6/Column Buffer/CS1_OUT: J16.2 R142.2
/Panels/Panel Column P6/Column Buffer/CS2_OUT: J16.3 R143.2
/Panels/Panel Column P6/Column Buffer/CS_3OUT: J16.4 R144.2
/Panels/Panel Column P6/Column Buffer/EINT_OUT: J16.5 R145.2
/Panels/Panel Column P6/Column Buffer/MISO_IN: J15.5 U63.1
/Panels/Panel Column P6/Column Buffer/MOSI_OUT: J15.4 R140.2
/Panels/Panel Column P6/Column Buffer/SCK_OUT: J15.3 R139.2
/Panels/Panel Column P7/Column Buffer/CS0_OUT: J18.1 R149.2
/Panels/Panel Column P7/Column Buffer/CS1_OUT: J18.2 R150.2
/Panels/Panel Column P7/Column Buffer/CS2_OUT: J18.3 R151.2
/Panels/Panel Column P7/Column Buffer/CS_3OUT: J18.4 R152.2
/Panels/Panel Column P7/Column Buffer/EINT_OUT: J18.5 R153.2
/Panels/Panel Column P7/Column Buffer/MISO_IN: J17.5 U67.1
/Panels/Panel Column P7/Column Buffer/MOSI_OUT: J17.4 R148.2
/Panels/Panel Column P7/Column Buffer/SCK_OUT: J17.3 R147.2
/Panels/Panel Column P8/Column Buffer/CS0_OUT: J20.1 R157.2
/Panels/Panel Column P8/Column Buffer/CS1_OUT: J20.2 R158.2
/Panels/Panel Column P8/Column Buffer/CS2_OUT: J20.3 R159.2
/Panels/Panel Column P8/Column Buffer/CS_3OUT: J20.4 R160.2
/Panels/Panel Column P8/Column Buffer/EINT_OUT: J20.5 R161.2
/Panels/Panel Column P8/Column Buffer/MISO_IN: J19.5 U71.1
/Panels/Panel Column P8/Column Buffer/MOSI_OUT: J19.4 R156.2
/Panels/Panel Column P8/Column Buffer/SCK_OUT: J19.3 R155.2
/Panels/Panel Column P9/Column Buffer/CS0_OUT: J22.1 R165.2
/Panels/Panel Column P9/Column Buffer/CS1_OUT: J22.2 R166.2
/Panels/Panel Column P9/Column Buffer/CS2_OUT: J22.3 R167.2
/Panels/Panel Column P9/Column Buffer/CS_3OUT: J22.4 R168.2
/Panels/Panel Column P9/Column Buffer/EINT_OUT: J22.5 R169.2
/Panels/Panel Column P9/Column Buffer/MISO_IN: J21.5 U75.1
/Panels/Panel Column P9/Column Buffer/MOSI_OUT: J21.4 R164.2
/Panels/Panel Column P9/Column Buffer/SCK_OUT: J21.3 R163.2
/Panels/Panel Column P10/Column Buffer/CS0_OUT: J24.1 R173.2
/Panels/Panel Column P10/Column Buffer/CS1_OUT: J24.2 R174.2
/Panels/Panel Column P10/Column Buffer/CS2_OUT: J24.3 R175.2
/Panels/Panel Column P10/Column Buffer/CS_3OUT: J24.4 R176.2
/Panels/Panel Column P10/Column Buffer/EINT_OUT: J24.5 R177.2
/Panels/Panel Column P10/Column Buffer/MISO_IN: J23.5 U79.1
/Panels/Panel Column P10/Column Buffer/MOSI_OUT: J23.4 R172.2
/Panels/Panel Column P10/Column Buffer/SCK_OUT: J23.3 R171.2
/Power/SW_5V: J25.1 SW1.1
/Teensy/D29_0_3V3: U1.29 U2.3
/Teensy/D29_5V: J3.1 U2.4
/Teensy/D35_0_3V3: J30.2 U1.27 U3.3
/Teensy/D35_5V: J4.1 U3.4
/Teensy/ETH_LED: J1.10 U1.61
/Teensy/ETH_R+: J1.4 U1.60
/Teensy/ETH_R-: J1.6 U1.65
/Teensy/ETH_T+: J1.1 U1.63
/Teensy/ETH_T-: J1.3 U1.62
Net-(J1-RCT): C1.1 J1.2 J1.5
Net-(J30-Pin_1): J30.1 R216.1
Net-(R28-Pad1): R28.1 U4.6
Net-(R29-Pad1): R29.1 U4.4
Net-(R30-Pad1): R30.1 U5.6
Net-(R31-Pad1): R31.1 U5.4
Net-(R32-Pad1): R32.1 U6.6
Net-(R33-Pad1): R33.1 U7.6
Net-(R34-Pad1): R34.1 U7.4
Net-(R35-Pad1): R35.1 U8.6
Net-(R36-Pad1): R36.1 U8.4
Net-(R37-Pad1): R37.1 U9.6
Net-(R38-Pad1): R38.1 U10.6
Net-(R39-Pad1): R39.1 U10.4
Net-(R40-Pad1): R40.1 U11.6
Net-(R41-Pad1): R41.1 U11.4
Net-(R42-Pad1): R42.1 U12.6
